# KiCad board NS32016-BC.kicad_pcb (continued)
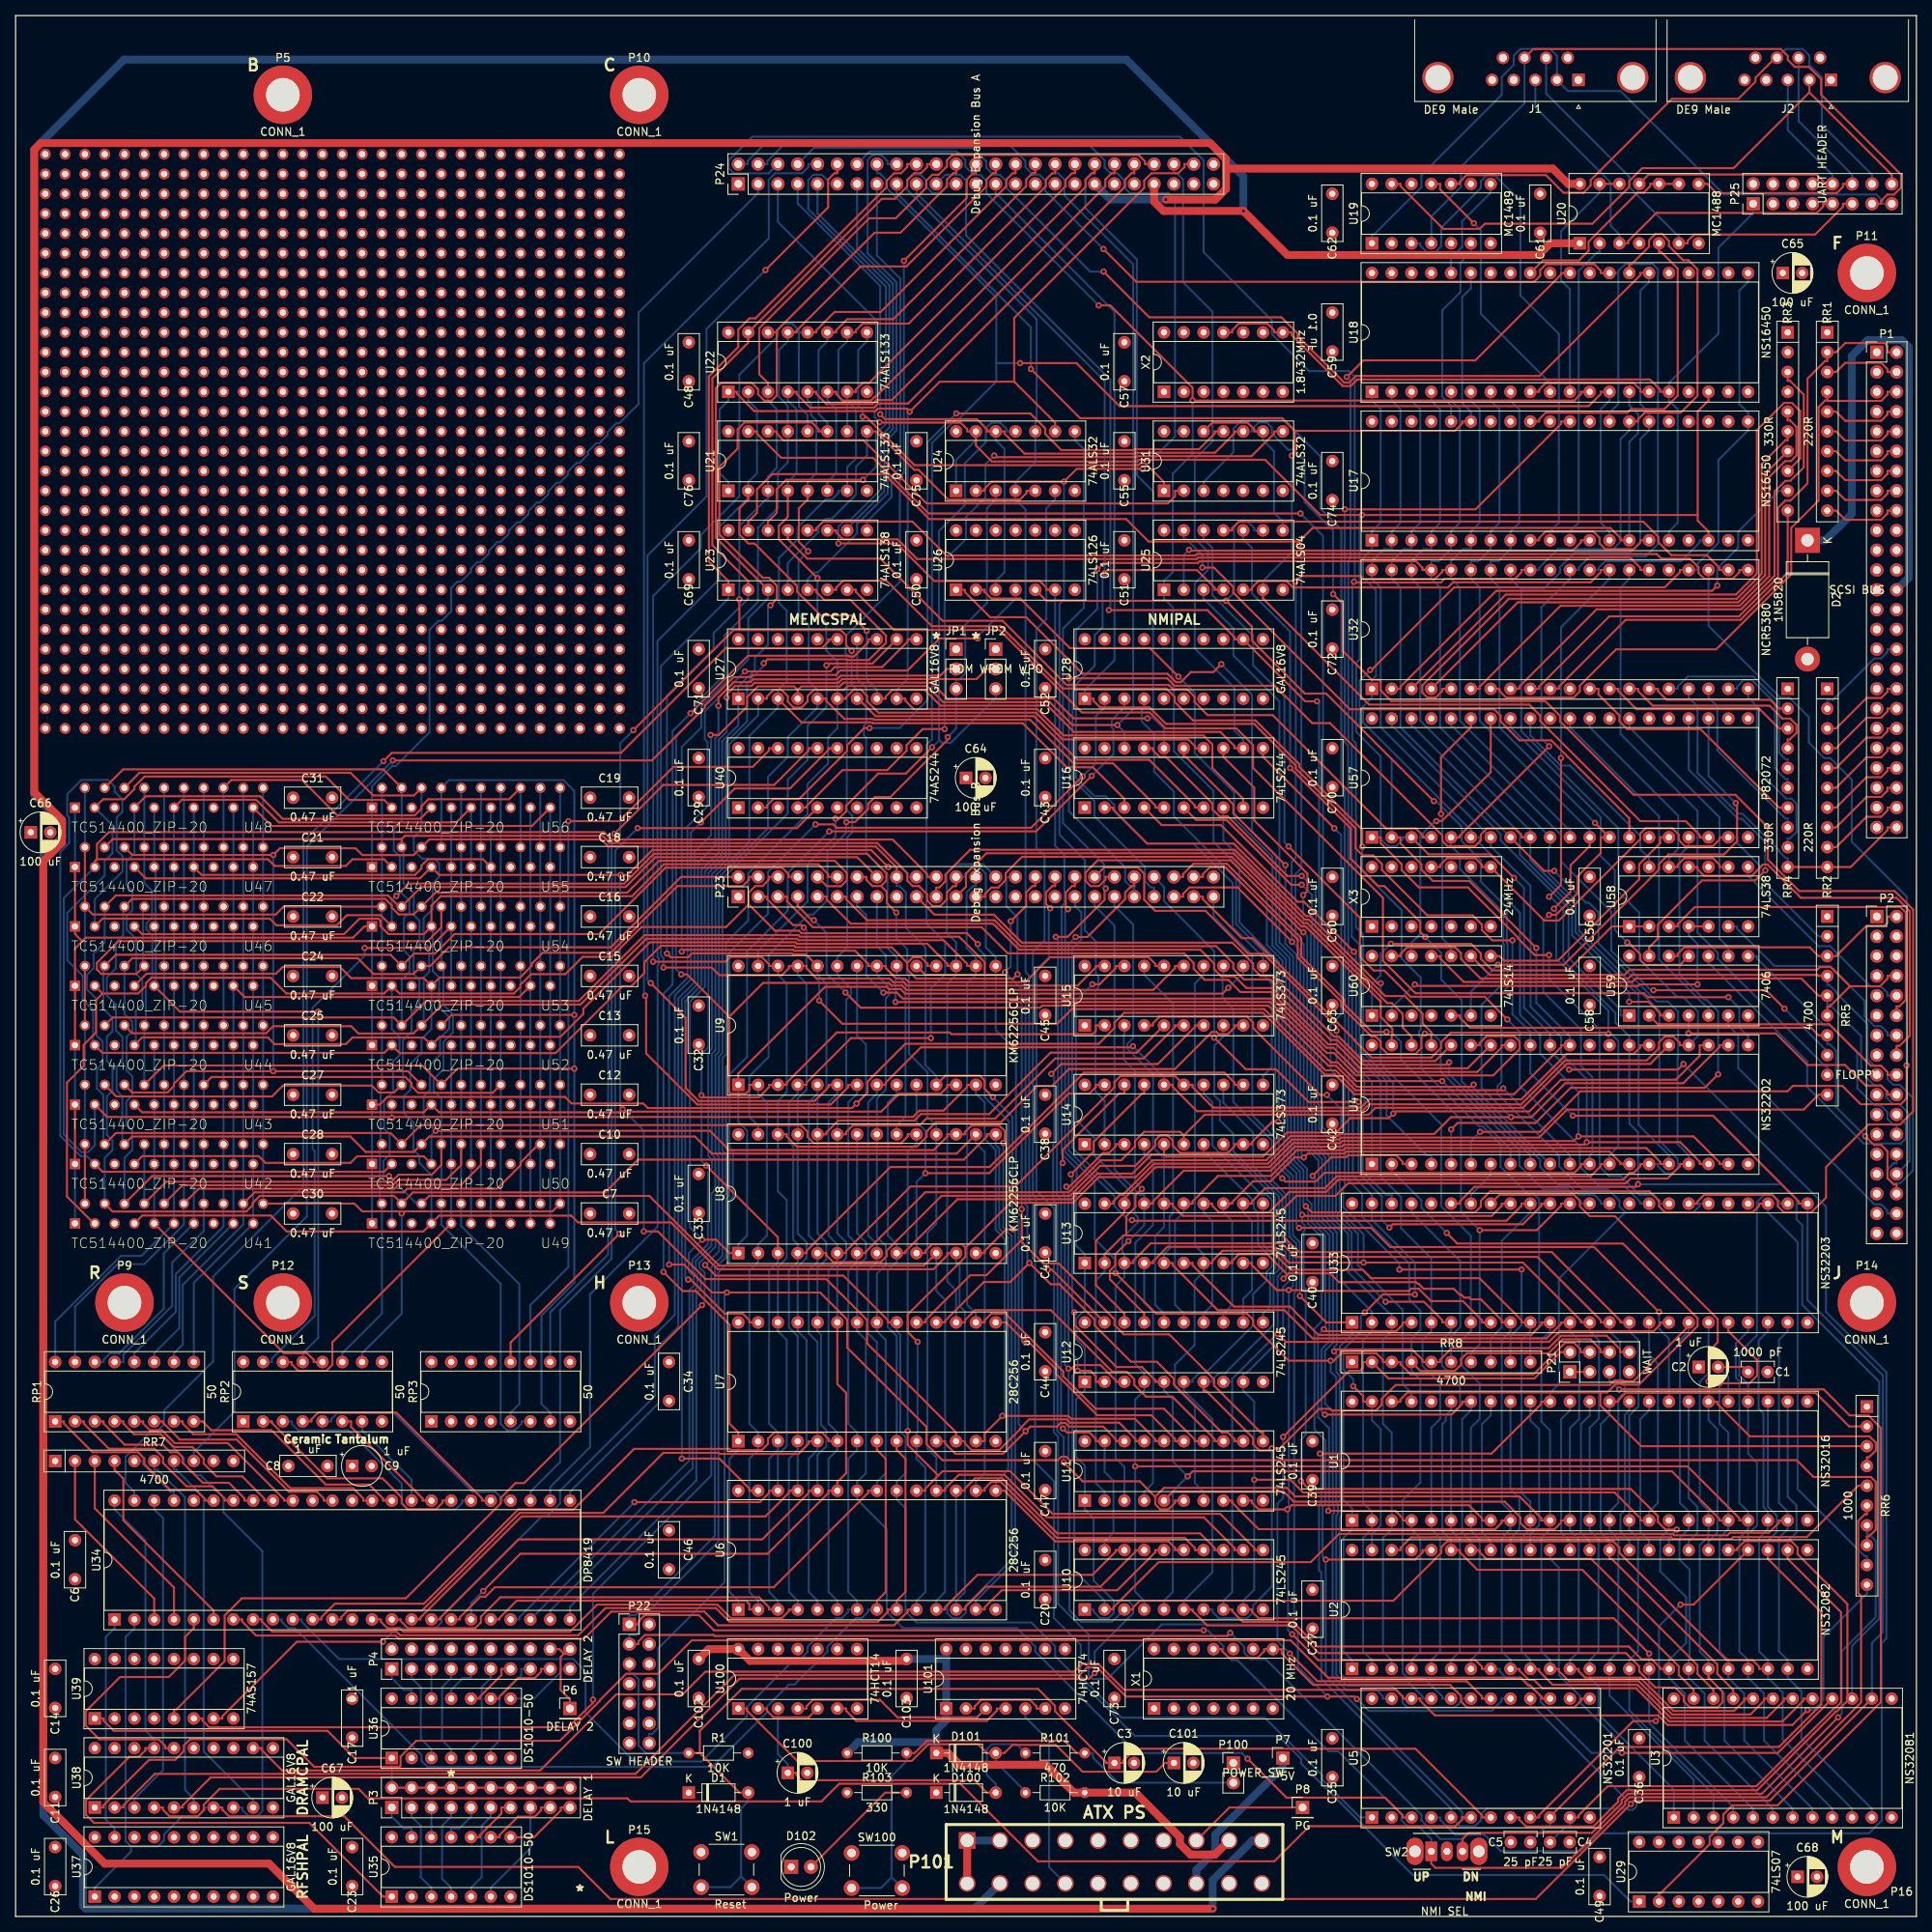
[diagram p0: board, top side]
## Routing (per net, layer and track width the routed paths; a pad name or vN(x,y) marks a point on that pad's centre or on a via; arc(x,y) is an arc through that point) (continued)
  Bottom w0.25: U17.16 212.09,177.66 213.22,178.78 213.22,193.33 212.09,194.45 U18.16 212.09,196.71 218.44,203.06 218.44,214.07 222.9,218.53 P25.1
-abt: length 20
  Bottom w0.25: U1.34 207.01,64.91 206.45,64.36 206.45,52.14 205.88,51.56 205.88,49.35 207.01,48.21 U2.34
-adr<6>: length 57.6
  Top w0.25: v1(150.53,175.31) 150.62,175.21 199.77,175.21 200.8,176.25 200.8,176.53 U17.12
  Bottom w0.25: v1(150.53,175.31) 149.86,174.64 U25.2
-ads: length 20
  Bottom w0.25: U1.37 199.39,64.91 198.26,63.79 198.26,49.24 199.39,48.12 U2.37
-cas1: length 16.2
  Top w0.25: RP2.6 43.04,63.5 43.04,62.8 52.21,53.62 52.21,53.34 U34.32
-cas2: length 168.4
  Top w0.25: U47.2 U46.2 9.9,128.53 33.37,128.53 34.39,129.54 U54.2 ; U42.2 U41.2 ; U45.2 U44.2
  Bottom w0.25: U48.2 U47.2 ; U56.2 U55.2 U54.2 U53.2 U52.2 U51.2 46.81,106.5 46.81,99.24 U50.2 46.73,98.8 46.73,91.7 U49.2 46.99,77.33 41.91,72.25 RP2.11 ; U46.2 U45.2 ; U42.2 U43.2 U44.2
-cts1: length 24.9
  Bottom w0.25: U17.36 184.15,193.82 183.02,194.95 183.02,206.03 185.34,208.36 185.34,212.15 186.69,213.5 U19.6
-cts2: length 13.5
  Bottom w0.25: U18.36 184.15,212.77 185.56,214.18 185.56,217.46 189.23,221.12 U19.8
-cwait: length 230.4
  Top w0.25: U38.12 31.61,21.59 31.61,21.31 34.18,18.73 67.3,18.73 77.05,28.49 85.58,28.49 88.49,31.4 135.81,31.4 136.81,32.39 138.9,32.39 142.23,29.07 177.1,29.07 177.94,28.22 177.94,27.94 U5.22 180.2,27.94 180.2,27.66 182.07,25.78 210.71,25.78 211.93,24.56 227.94,24.56 v1(229.86,26.48)
  Bottom w0.25: v1(229.86,26.48) 230.66,26.48 231.91,27.74 231.91,35.84 237.49,41.41 RR6.10
-dbe: length 257.3
  Bottom w0.25: P24.23 119.47,222.25 119.47,221.88 118.67,221.07 117.62,221.07 116.75,221.95 116.75,222.78 116.09,223.43 115.08,223.43 114.38,222.72 114.38,221.5 130.98,204.9 130.98,191.8 130.81,191.63 U24.10 130.81,186.55 128.27,184.01 U24.4 128.27,181.75 129.56,180.46 129.56,121.13 130.03,120.66 130.03,91.85 130.48,91.4 130.48,84.42 130.78,84.13 130.78,58.27 133.21,55.84 133.21,38.27 136.64,34.84 136.64,30.74 141.88,25.5 160.24,25.5 167.61,18.12 167.61,17.55 172.47,12.7 U5.1
-ddin: length 333.4
  Top w0.25: U26.5 132.22,168.77 v1(155.28,168.77) 158.61,165.44 158.61,163.65 165.38,156.88 168.13,156.88 v1(181.93,143.07) ; U1.38 195.72,66.04 195.72,65.76 189.34,59.38 v1(167.31,59.38)
  Bottom w0.25: U2.38 196.85,45.86 197.98,44.74 197.98,30.97 200.66,28.28 200.66,27.48 206.87,21.27 206.87,16.54 207.93,15.47 207.93,14.13 207.48,13.67 206.9,13.67 206.73,13.84 188.73,13.84 187.96,13.08 187.96,12.33 187.19,11.56 185.29,11.56 U5.5 184.15,13.83 167.5,30.48 167.5,44.12 167.21,44.4 167.21,52.74 167.51,53.04 167.51,59.17 v1(167.31,59.38) ; v1(181.93,143.07) 182.24,143.07 185.5,139.81 185.5,137.95 187.96,135.49 187.96,132.75 191.29,129.42 191.29,124.91 191.39,124.81 191.39,119.2 190.61,118.42 190.61,107.05 190.11,106.56 190.11,105.51 198.01,97.6 198.01,96.25 200.97,93.29 204.27,93.29 205.74,91.82 205.74,91.06 206.49,90.31 ; U25.9 158.89,177.8 158.89,178.08 157.98,179 157.09,179 156.31,178.22 156.31,169.81 v1(155.28,168.77) ; U33.30 216.04,91.44 216.04,91.16 215.2,90.31 206.49,90.31 ; 206.49,90.31 197.98,81.8 197.98,68.29 196.85,67.17 U1.38
-ddin_buf: length 363.5
  Top w0.25: U26.6 132.22,170.18 132.22,170.46 131.38,171.31 117.84,171.31 113.02,176.13 v1(105.55,176.13) ; v1(138.41,31.21) 137.7,30.5 92.87,30.5 80.2,17.83 25.02,17.83 21.45,14.25 21.45,13.97 U38.5
  Bottom w0.25: 140.87,40.51 138.29,43.09 138.29,51.09 137.16,52.21 U11.1 137.16,57.84 136.03,58.97 136.03,66.33 137.16,67.45 U12.1 137.16,72.93 136.03,74.05 136.03,76.67 137.16,77.79 U13.1 137.16,84.95 136.03,86.07 136.03,93.2 136.11,93.27 136.11,95.89 134.18,97.82 134.18,129.55 134.53,129.9 134.53,136.18 133.35,137.36 U26.6 ; 140.87,40.51 140.87,38.94 140.17,38.24 139.13,38.24 138.29,39.09 138.29,39.37 U10.1 ; 140.87,40.51 142.69,40.51 143.37,39.83 143.37,38.9 138.41,33.95 v1(138.41,31.21) ; P24.9 102.87,218.48 112.09,209.26 112.09,190.99 110.98,189.87 110.98,183.04 107.06,179.12 106.4,179.12 105.55,178.27 v1(105.55,176.13)
-dma_ack0: length 70.8
  Top w0.25: v1(196.71,123.33) 194.87,123.33 192.74,125.45 192.74,125.56 186.31,132 180.03,132 177.8,134.23 177.8,135 175.12,137.68 175.12,138.43 U57.1
  Bottom w0.25: U33.32 210.96,91.44 210.96,91.72 210.12,92.57 208.3,92.57 205.92,94.95 204.43,94.95 203.2,96.18 203.2,113.77 196.71,120.26 v1(196.71,123.33)
-dma_ack2: length 78.1
  Top w0.25: P23.48 152.31,133.35 152.31,133.72 153.17,134.58 155.21,134.58 164.47,125.32 164.47,122.95 170.04,117.39 170.04,116.77 173.92,112.89 174.46,112.89 175.12,112.23 175.12,111.51 176,110.63 179.56,110.63 180.34,111.4 180.34,112.81 v1(180.77,113.24)
  Bottom w0.25: U33.36 200.8,91.44 200.8,91.65 199.17,93.28 195.96,93.28 192.9,96.34 192.9,98.32 182.81,108.4 182.81,112.2 181.77,113.24 v1(180.77,113.24)
-dma_ack3: length 85.6
  Top w0.25: v1(172.28,104.48) 165.87,104.48 161.67,108.67 157.81,108.67 v1(153.76,112.73) ; U33.38 195.72,91.44 195.72,91.16 193.35,88.79 176.65,88.79 v1(176.23,88.36)
  Bottom w0.25: P23.44 147.32,132.08 147.32,130.26 153.76,123.82 v1(153.76,112.73) ; v1(176.23,88.36) 175.26,89.33 175.26,92.36 172.28,95.34 v1(172.28,104.48)
-dma_breq: length 23.4
  Bottom w0.25: RR8.6 184.15,74.44 185.32,75.61 185.32,84.06 179.07,90.31 U33.45
-dma_cs: length 123.5
  Bottom w0.25: U33.46 176.53,92.57 175.83,92.57 172.81,95.59 172.81,103.99 173.02,104.2 173.02,107.4 170.99,109.44 170.99,122.78 170.5,123.27 170.5,144.67 170.06,145.11 170.06,177.91 167.38,180.59 167.38,187.29 162.57,192.1 157.47,192.1 156.21,190.84 156.21,187.82 152.4,184.01 U31.3
-dma_cs1: length 55
  Top w0.25: v1(108.66,192.38) 109.11,192.38 115.32,186.17 144.03,186.17 144.28,186.41 144.91,186.41 147.32,184.01 U31.1
  Bottom w0.25: v1(108.66,192.38) 108.66,193.27 108.09,193.84 108.09,200.95 109.22,202.07 U22.9
-dma_ir: length 6.1
  Bottom w0.25: U33.42 186.69,92.57 189.23,95.11 U4.7
-dma_req0: length 119
  Top w0.25: v1(191.37,115.06) 188.45,117.98 178.95,117.98 175.58,121.34 174.2,121.34 172.46,123.09 172.46,128.1 v1(163.3,137.25)
  Bottom w0.25: U33.33 208.42,91.44 208.42,91.64 206.33,93.74 203.1,93.74 200.66,96.18 200.66,98.83 192.96,106.54 192.96,113.47 v1(191.37,115.06) ; v1(163.3,137.25) 162.77,137.79 162.77,156.49 158.75,160.51 158.75,164.27 153.53,169.49 153.53,175.55 152.4,176.67 U25.12
-dma_req1: length 108.9
  Top w0.25: v1(163.5,147.33) 171.24,139.59 171.24,135.74 174.8,132.17 175.59,132.17 180.2,127.56 180.2,126.28 v1(180.84,125.64)
  Bottom w0.25: U33.35 203.34,91.44 203.34,91.72 202.5,92.57 200.53,92.57 199.27,93.82 197.89,93.82 195.58,96.13 195.58,97.04 185.51,107.11 185.51,117.54 182.88,120.17 182.88,123.59 v1(180.84,125.64) ; v1(163.5,147.33) 163.5,164.82 158.61,169.71 158.61,175.55 157.48,176.67 U25.10
-dma_req2: length 100.1
  Top w0.25: P23.46 149.77,133.35 149.77,133.72 151.08,135.03 155.4,135.03 164.92,125.5 164.92,123.14 170.49,117.57 170.49,116.98 174.01,113.46 v1(175.86,113.46) ; v1(187.82,88.03) 195.14,88.03 198.26,91.16 198.26,91.44 U33.37
  Bottom w0.25: RR8.7 186.69,72.25 187.82,73.37 v1(187.82,88.03) 185.42,90.43 185.42,102.2 177.71,109.91 177.71,112.2 176.44,113.46 v1(175.86,113.46)
-dma_req3: length 126.9
  Top w0.25: U33.39 193.18,91.44 193.18,91.16 191.26,89.24 143.32,89.24 v1(143.23,89.32) ; v1(135.99,125.64) 137.48,125.64 142.33,130.5 142.33,131.37 143.14,132.17 143.51,132.17 P23.42
  Bottom w0.25: RR8.8 189.23,74.15 190.64,75.56 190.64,86.65 194.31,90.31 U33.39 ; v1(143.23,89.32) 142.76,89.32 140.97,91.11 140.97,92.38 135.08,98.27 135.08,124.73 v1(135.99,125.64)
-dram_cs: length 233.7
  Top w0.25: U27.15 104.28,163.83 104.28,163.55 103.44,162.7 91.11,162.7 77.66,149.26 48.25,149.26 v1(47.19,148.2)
  Bottom w0.25: U34.47 15.24,54.47 14.11,55.59 14.11,58.95 17.41,62.25 18.17,62.25 ; 18.17,62.25 19.05,63.13 19.05,64.92 25.34,71.21 25.34,82.08 36.92,93.66 36.92,137.93 v1(47.19,148.2) ; 18.17,62.25 21.59,58.82 21.59,58.08 23.09,56.59 23.76,56.59 26.67,53.68 26.67,51.84 31.65,46.86 31.65,13.52 30.96,12.82 29.93,12.82 29.07,13.69 29.07,13.97 U38.8
-drv_sel0: length 59.8
  Top w0.25: U58.5 U58.4 ; v1(215.76,119.56) 208.34,119.56 208.15,119.37 179.69,119.37 v1(179.5,119.56)
  In1.Cu w0.25: U58.5 U58.10
  Bottom w0.25: U58.4 214.63,125.87 215.76,124.75 v1(215.76,119.56) ; U60.2 176.53,116.7 176.64,116.7 v1(179.5,119.56)
-eprom_cs: length 271
  Top w0.25: U7.20 111.9,76.2 111.9,76.48 106.18,82.2 89.81,82.2 v1(88.45,83.55) ; U27.12 109.92,160.72 104.24,160.72 v1(104.02,160.5)
  Bottom w0.25: v1(88.45,83.55) 90.23,85.33 90.23,92.43 90.66,92.87 90.66,97.63 90.23,98.07 90.23,110.3 90.68,110.75 90.68,133.11 99.06,141.48 99.06,145.82 101.6,148.36 101.6,152.71 104.02,155.13 v1(104.02,160.5) ; U7.20 113.03,75.07 113.5,74.61 113.5,62.17 114.17,61.5 114.17,56.87 113.03,55.74 U6.20 113.03,53.48 114.16,52.36 114.16,39.12 115.57,37.71 130.3,37.71 133.35,34.66 133.35,33.38 143.58,23.15 161.95,23.15 164.92,20.18 164.92,19.61 179.22,5.32 203.75,5.32 207.15,1.91 U29.1
-fdb_dir: length 35.1
  Top w0.25: P2.18 240.12,107.95 240.12,108.32 239.32,109.13 237.99,109.13 232.67,114.44 210.68,114.44 U59.2
-fdb_ds0: length 28.9
  Bottom w0.25: P2.14 240.12,113.03 240.12,113.4 239.32,114.21 238.46,114.21 237.19,115.48 237.19,117.46 232.73,121.92 225.63,121.92 220.84,126.72 220.84,127 U58.6
-fdb_ds1: length 45.8
  Top w0.25: P2.12 241.3,116.75 241.67,116.75 242.48,117.55 242.48,128.78 241.77,129.48 215.42,129.48 213.22,127.28 213.22,127 U58.3
-fdb_hdsel: length 35.5
  Bottom w0.25: P2.32 240.12,90.17 240.12,90.54 239.32,91.35 238.46,91.35 220.98,108.83 220.98,113.03 219.71,114.3 U59.6
-fdb_idx: length 62.9
  Top w0.25: U60.9 189.1,120.78 206.37,120.78 207.04,121.44 231.11,121.44 231.45,121.78 232.87,121.78 235.32,119.33 ; P2.8 240.12,120.65 240.12,120.28 239.17,119.33 235.32,119.33 ; 235.32,119.33 232.69,116.7 232.41,116.7 RR5.6
-fdb_ld: length 32.9
  Top w0.25: U59.12 213.22,123.19 213.22,123.47 214.06,124.32 230.16,124.32 231.28,123.19 RR5.3 233.54,123.19 237.44,127.09 239.76,127.09 240.12,127.46 240.12,128.27 P2.2
-fdb_motor0: length 26.8
  Bottom w0.25: U58.8 222.25,133.49 231.28,124.46 232.77,124.46 237.95,119.29 239.32,119.29 240.12,118.48 240.12,118.11 P2.10
-fdb_motor1: length 51.4
  Top w0.25: U58.11 215.76,134.62 215.76,134.34 216.6,133.49 222.72,133.49 224.16,134.94 224.74,134.94 229,130.67 241.27,130.67 242.97,128.97 242.97,112.97 241.67,111.67 241.3,111.67 P2.16
-fdb_rddata: length 74.4
  Top w0.25: P2.30 241.3,93.89 240.93,93.89 240.12,94.69 240.12,98.16 239.32,98.97 238.4,98.97 v1(237.27,100.09) ; U60.5 185.28,115.57 185.28,115.29 186.57,113.99 230.32,113.99 231.28,113.03 RR5.7
  Bottom w0.25: RR5.7 232.41,111.9 232.69,111.9 233.54,111.06 233.54,103.83 v1(237.27,100.09)
-fdb_stp: length 32.5
  Top w0.25: P2.20 240.12,105.41 240.12,105.78 239.32,106.59 237.32,106.59 234.69,109.22 229.87,109.22 225.82,113.27 v1(214.6,113.27)
  Bottom w0.25: v1(214.6,113.27) 214.6,114.42 214.63,114.44 U59.4
-fdb_trk0: length 97.4
  Top w0.25: U60.13 177.66,123.19 177.66,123.47 178.5,124.32 184.67,124.32 185.42,123.57 185.42,122.82 187.91,120.32 206.87,120.32 207.33,120.78 231.16,120.78 231.28,120.65 RR5.4
  Bottom w0.25: P2.26 241.3,96.61 240.93,96.61 240.12,95.81 240.12,94.72 240.77,94.07 241.79,94.07 243.41,95.69 243.41,104.97 241.7,106.68 240.87,106.68 240.12,107.42 240.12,108.29 239.29,109.13 238.46,109.13 237.57,110.02 237.57,114.46 233.54,118.49 233.54,118.62 232.63,119.52 232.41,119.52 RR5.4
-fdb_we: length 32.5
  Bottom w0.25: U59.8 223.38,123.19 223.38,122.91 231.98,114.3 232.74,114.3 236.25,110.79 236.25,106.26 238.46,104.05 239.25,104.05 240.12,103.17 240.12,102.31 240.93,101.51 241.3,101.51 P2.24
-fdb_wp: length 82.4
  Top w0.25: RR5.5 231.28,118.11 229.08,120.32 207.82,120.32 207.38,119.87 185.77,119.87 182.74,122.91 182.74,123.19 U60.11
  Bottom w0.25: RR5.5 232.41,116.98 232.69,116.98 236.74,112.94 236.74,108.31 238.46,106.59 239.25,106.59 239.94,105.9 239.94,105.11 240.81,104.23 241.62,104.23 242.93,102.92 242.93,96.88 P2.28
-fdb_wrdata: length 41.7
  Bottom w0.25: U59.10 217.17,122.06 217.45,122.06 229.82,109.69 229.82,106.41 237.08,99.15 241.85,99.15 242.48,99.78 242.48,101.69 P2.22
-flt: length 20
  Bottom w0.25: U2.33 209.55,48.22 208.42,49.34 208.42,63.79 209.55,64.91 U1.33
-hbe: length 170.5
  Top w0.25: v1(164.64,88.33) 173.89,88.33 176.36,85.86 202.49,85.86 v1(210.82,77.53) ; v1(149.16,159.04) 145.5,162.7 135.24,162.7 128.89,169.05 125.16,169.05 124.32,169.9 124.32,170.18 U26.2
  Bottom w0.25: v1(210.82,77.53) 210.82,75.38 212.09,74.11 U1.32 ; v1(164.64,88.33) 164.3,88.67 164.3,95.37 163.15,96.52 163.15,102.43 162.96,102.62 162.96,122.8 161.23,124.54 161.23,135.94 156.31,140.86 156.31,144.2 151.27,149.23 151.27,156.93 v1(149.16,159.04)
-hbe_buf: length 297.7
  Top w0.25: U31.10 156.35,190.5 156.35,190.25 153.87,187.76 143.72,187.76 143.6,187.65 129.43,187.65 126.86,190.22 126.86,190.5 U24.12 124.6,190.5 124.6,190.78 123.31,192.08 111.54,192.08 v1(110.92,192.7) ; v1(169.01,169.64) 170.22,168.43 170.22,162.39 173.98,158.63 174.9,158.63 175.12,158.42 175.12,157.27 176.48,155.9 196.22,155.9 198.12,154.01 198.12,153.32 207.56,143.88 220.61,143.88 224.79,139.71 224.79,135.56 228.81,131.53 241.04,131.53 243.42,129.15 243.42,103.26 241.76,101.6 237.71,101.6 232.25,96.14 232.25,92.22 230.34,90.31 226.84,90.31 226.06,91.09 226.06,91.83 225.32,92.57 216.6,92.57 215.76,91.72 215.76,91.44 U33.31
  Bottom w0.25: v1(110.92,192.7) 110.92,209.16 100.33,219.75 P24.7 ; v1(169.01,169.64) 169.01,177.76 165.36,181.42 165.36,186.79 163.99,188.16 163.24,188.16 161.15,190.25 161.15,191.02 160.51,191.65 159.48,191.65 158.61,190.78 158.61,190.5 U31.10 ; U24.12 125.73,189.37 126.86,188.25 126.86,172.43 125.73,171.31 U26.3
-hlda: length 231.6
  Top w0.25: v1(164.9,55.84) 165.9,54.83 207.19,54.83 210.68,51.35 210.68,50.6 211.65,49.63 v1(213.1,49.63) ; U33.40 190.64,91.44 190.64,91.16 189.34,89.86 165.19,89.86 v1(165.05,90) ; v1(154.66,160.64) 153.65,159.63 150.77,159.63 149.46,158.32 148.86,158.32 147.77,159.41 136.89,159.41 129.64,166.66 125.01,166.66 121.78,169.9 121.78,170.18 U26.1
  Bottom w0.25: v1(154.66,160.64) 158.61,156.7 158.61,139.2 161.68,136.13 161.68,124.72 163.44,122.96 163.44,102.78 163.61,102.61 163.61,96.7 164.75,95.55 164.75,90.29 v1(165.05,90) 165.05,88.94 165.37,88.63 165.37,88.03 165.23,87.89 165.23,80.75 165.49,80.49 165.49,61.79 164.9,61.19 v1(164.9,55.84) ; v1(213.1,49.63) 212.09,48.62 U2.32
-hlda_mmu: length 20
  Bottom w0.25: U1.31 214.63,53.65 215.76,52.53 215.76,49.24 214.63,48.12 U2.31
-hold: length 95.1
  Top w0.25: U1.30 218.3,66.04 218.3,65.76 222.47,61.59 237.83,61.59 238.63,60.79 238.63,59.76 237.77,58.91 237.49,58.91 RR6.4 ; v1(217.17,68.63) 217.17,72.48 218.35,73.66 218.35,76.62 205.15,89.83 201.93,89.83 200.66,91.1 200.66,91.83 199.93,92.57 190.36,92.57 U33.41
  Bottom w0.25: v1(217.17,68.63) U1.30 217.17,63.64 218.31,62.5 218.31,49.25 217.17,48.12 U2.30
-int: length 131.2
  Top w0.25: 203.3,67.22 178.55,67.22 177.66,66.32 177.66,66.04 U1.46 ; 203.3,67.22 203.3,65.56 208.53,60.32 RR6.3 ; 203.3,67.22 204.19,67.22 205.28,68.31 206.02,68.31 206.11,68.22 208.24,68.22 215.77,75.75 215.77,76.72 206.18,86.31 184.95,86.31 v1(183.59,87.68)
  Bottom w0.25: v1(183.59,87.68) 180.34,90.93 180.34,91.87 176.81,95.39 176.53,95.39 U4.2
-io_cs: length 50.8
  Top w0.25: U21.9 110.35,190.5 115.28,185.57 115.83,185.57 119.64,181.75 128.84,181.75 129.68,182.6 129.68,182.88 U24.5
  Bottom w0.25: U21.9 109.22,187.39 107.81,185.97 107.81,182.41 104.7,179.3 104,179.3 103.01,178.32 103.01,177.58 99.06,173.63 U23.4
-io_cs_fff0: length 301.5
  Top w0.25: U23.15 93.98,178.93 95.11,180.05 95.11,183.06 97.07,185.02 111.44,185.02 117.21,179.25 142.47,179.25 145.34,176.37 164.64,176.37 ; 164.64,176.37 166.38,178.12 204.58,178.12 205.88,176.81 205.88,176.53 U17.14 ; 164.64,176.37 v1(164.64,175.94)
  Bottom w0.25: U5.23 175.4,27.94 175.4,28.22 174.56,29.07 170.72,29.07 168.95,30.83 168.95,51.56 169.15,51.76 169.15,52.72 168.96,52.9 168.96,64.78 167.97,65.77 167.97,72.57 169,73.6 169,87.58 167.14,89.45 167.14,96.97 165.41,98.7 165.41,103.36 165.24,103.53 165.24,124.71 164.19,125.77 164.19,133.71 164.93,134.46 164.93,175.65 v1(164.64,175.94) ; U17.14 207.01,189.15 208.15,190.29 208.15,192.72 207.01,193.86 U18.14
-io_cs_fff2: length 65.8
  Top w0.25: v1(108.7,184.29) 98.85,184.29 97.65,183.08 97.65,180.05 96.52,178.93 U23.14
  Bottom w0.25: P24.11 104.23,222.25 104.23,222.62 103.43,223.43 102.34,223.43 101.69,222.77 101.69,219.02 111.64,209.07 111.64,191.46 110.38,190.2 110.38,185.97 v1(108.7,184.29)
-io_cs_fff4: length 100.1
  Top w0.25: U23.13 99.06,176.67 101.56,174.17 110.94,174.17 118.9,166.21 126.6,166.21 134.84,157.97 147.94,157.97 148.49,157.42 150.29,157.42 151.24,156.47 151.24,155.78 152.92,154.1 161.26,154.1 175.81,139.56 179.64,139.56 180.48,138.71 180.48,138.43 U57.4
-io_cs_fff6: length 125.5
  Top w0.25: U23.12 102.73,177.8 102.73,178.08 103.58,178.94 115.05,178.94 119.4,174.58 151.34,174.58 151.53,174.76 210.54,174.76 211.13,174.17 214.78,174.17 215.9,173.05 215.9,172.32 216.63,171.59 220.28,171.59 221.12,172.44 221.12,172.72 U32.21
-io_cs_fff8: length 108
  Top w0.25: U32.26 208.42,172.72 208.42,173 207.11,174.31 151.71,174.31 151.53,174.13 115.66,174.13 113.14,176.65 106.15,176.65 105.27,177.53 105.27,177.8 U23.11
-io_cs_fffa: length 48.8
  Bottom w0.25: U23.10 106.68,178.04 111.43,182.78 111.43,189.69 112.55,190.81 112.55,209.44 107.95,214.04 P24.13
-io_cs_fffc: length 47.5
  Bottom w0.25: U23.9 109.22,178.93 112.36,182.06 112.36,184.74 113.5,185.88 113.5,210.08 110.49,213.09 P24.15
-io_cs_fffe: length 148.5
  Top w0.25: v1(219.72,117.92) 209.39,117.92 208.88,118.43 179.57,118.43 175.4,122.6 175.4,130.67 158.75,147.32 158.75,150.26 156.61,152.4 147.52,152.4 145.47,154.44 136.79,154.44 126.2,165.03 112.67,165.03 107.81,169.9 107.81,170.18 U23.7
  Bottom w0.25: U4.21 222.25,112.89 221.12,114.01 221.12,116.51 v1(219.72,117.92)
-io_edata_oe: length 112.8
  Top w0.25: U12.19 132.94,82.96 v1(132.43,82.96)
  Bottom w0.25: U24.6 133.35,181.75 132.22,180.63 132.22,166.39 130.94,165.11 130.94,137.14 131.99,136.09 131.99,125.22 130.5,123.73 130.5,92.5 130.93,92.07 130.93,84.61 132.43,83.12 v1(132.43,82.96)
-io_odata_oe: length 98.7
  Top w0.25: RR5.10 231.28,105.41 229.38,103.51 199.02,103.51 195.43,99.91 170.01,99.91 169.75,99.65 163.73,99.65 160.64,96.56 146.05,96.56 142.05,92.57 141.67,92.57 140.83,91.72 140.83,91.44 U13.19
-mem_data_oe: length 156.9
  Top w0.25: U11.19 138.57,60.96 138.57,61.24 137.73,62.09 134.85,62.09 v1(134.35,62.58) ; v1(133.43,125.66) 134.94,125.66 139.7,130.41 139.7,131.71 v1(139.85,131.87)
  Bottom w0.25: U11.19 139.7,57.02 140.83,55.9 140.83,49.24 139.7,48.12 U10.19 ; v1(139.85,131.87) 139.61,132.11 139.61,135.01 134.36,140.25 134.36,165.2 137.02,167.87 137.02,188.24 135.89,189.37 U24.8 ; v1(133.43,125.66) 133.73,125.36 133.73,99.05 133.58,98.91 133.58,92.51 134.11,91.98 134.11,62.82 v1(134.35,62.58)
-mode: length 35.7
  Top w0.25: U34.5 22.86,36.97 21.73,35.85 21.73,32.8 19.65,30.71 13.4,30.71 9,26.3 9,24.48 10.76,22.72 18.35,22.72 19.19,21.87 19.19,21.59 U38.16
-nmi: length 194
  Top w0.25: v1(166.95,155.87) 165.44,155.87 U28.12 156.35,163.83 156.35,164.11 152.89,167.57 v1(140.24,167.57)
  Bottom w0.25: v1(166.95,155.87) 167.21,155.61 167.21,127.18 167.49,126.9 167.49,104.46 167.66,104.29 167.66,101.22 169.39,99.48 169.39,90.38 172.19,87.58 172.19,83.56 177.94,77.8 177.94,68.29 179.07,67.17 U1.45 ; P24.21 119.29,223.43 121.18,223.43 121.92,222.68 121.92,215.65 140.44,197.13 140.44,167.77 v1(140.24,167.57)
-nmi_down: length 369
  Top w0.25: P22.3 79.91,34.93 79.91,35.3 80.72,36.11 89.55,36.11 89.68,35.98 155.42,35.98 v1(155.82,36.37) ; v1(233.8,25.54) 224,15.74 206.85,15.74 206.03,14.91 206.03,14.52 202.22,10.71 186.4,10.71 185.61,9.93 SW2.3 ; v1(138.04,146.31) 130.92,139.19 v1(104.38,139.19)
  Bottom w0.25: RR6.7 237.49,49.03 237.77,49.03 238.62,48.19 238.62,38.38 234.27,34.03 234.27,26.01 v1(233.8,25.54) ; v1(155.82,36.37) 157.62,34.57 157.62,33.8 158.43,33 160.37,33 180.34,13.03 180.34,12.34 182.75,9.93 185.61,9.93 SW2.3 ; P22.3 78.73,36.11 79.54,36.11 79.91,36.47 79.91,37.84 90.15,48.08 90.15,82.63 91.58,84.06 91.58,91.87 92.02,92.31 92.02,98.19 91.58,98.62 91.58,108 93.84,110.25 93.84,123.78 99.06,129.01 99.06,133.87 v1(104.38,139.19) ; v1(138.04,146.31) 140.84,149.11 140.84,152.31 140.61,152.53 140.61,153.46 142.24,155.08 U28.3
-nmi_up: length 371.5
  Top w0.25: RR6.6 237.49,51.57 237.21,51.57 236.36,50.73 236.36,41.48 236.74,41.1 236.74,27.46 224.57,15.29 207.04,15.29 206.48,14.72 206.48,14.33 198.37,6.23 182.16,6.23 181.61,6.77 SW2.1 ; P22.1 79.91,37.47 79.91,37.84 80.72,38.65 87.65,38.65 89.58,36.71 v1(152.41,36.71) ; v1(102.62,140.09) 104.91,140.09 105.34,139.66 130.28,139.66 v1(136.88,146.25)
  Bottom w0.25: P22.1 78.73,38.65 79.54,38.65 89.7,48.8 89.7,83.14 91.13,84.57 91.13,92.06 91.57,92.5 91.57,98 91.13,98.44 91.13,108.96 91.58,109.42 91.58,123.69 96.52,128.62 96.52,133.98 v1(102.62,140.09) ; v1(152.41,36.71) 152.91,36.71 154.94,34.67 154.94,33.93 156,32.87 156.74,32.87 168.43,21.18 169.66,21.18 177.8,13.04 177.8,12.32 178.58,11.55 179.99,11.55 181.61,9.93 SW2.1 ; U28.2 139.7,155.08 138.57,153.96 138.57,147.95 v1(136.88,146.25)
-pav: length 482.4
  Top w0.25: U5.6 185.56,12.7 185.56,12.42 184.72,11.57 165.96,11.57 161.46,7.07 131.13,7.07 121.19,17.02 105.65,17.02 103.39,14.75 78.89,14.75 78.49,15.15 45.23,15.15 44.01,16.37 26.17,16.37 24.13,14.32 24.13,13.62 23.36,12.84 19.75,12.84 18.91,13.69 18.91,13.97 U38.4 ; v1(168.07,45.78) 179.55,45.78 180.48,46.71 180.48,46.99 U2.44 ; U33.27 223.66,91.44 223.66,91.16 222.82,90.31 211.6,90.31 210.82,91.09 210.82,91.79 209.6,93.02 189.18,93.02 187.96,91.8 187.96,91.06 187.21,90.31 166.3,90.31 v1(165.51,91.09)
  Bottom w0.25: U25.3 152.4,169.05 156.21,165.24 156.21,161.77 162.13,155.85 162.13,124.91 163.89,123.15 163.89,102.97 164.06,102.8 164.06,96.89 165.2,95.74 165.2,91.4 v1(165.51,91.09) 165.78,90.83 165.78,88.9 167.54,87.13 167.54,76.33 166.62,75.41 166.62,62.46 168.03,61.05 168.03,52.92 167.66,52.55 167.66,46.18 v1(168.07,45.78) 168.07,30.86 185.56,13.36 185.56,12.7 U5.6 ; U33.27 224.79,90.31 228.6,86.5 228.6,54.81 237.21,46.21 237.49,46.21 RR6.9
-pfs: length 20
  Bottom w0.25: U2.39 194.31,49.04 195.44,50.17 195.44,62.51 194.31,63.64 U1.39
-ras01: length 29.6
  Bottom w0.25: U34.28 62.37,53.34 62.37,53.62 61.53,54.47 58.62,54.47 48.46,64.63 41.34,64.63 40.5,63.78 40.5,63.5 RP2.5
-ras02: length 52
  Top w0.25: U41.9 34.43,72.25 37.4,72.25 38.24,71.4 38.24,71.12 RP2.12
  Bottom w0.25: U41.9 U42.9 U43.9 U44.9
-ras11: length 29.6
  Top w0.25: U34.29 59.83,53.34 59.83,53.62 48.83,64.63 38.8,64.63 37.96,63.78 37.96,63.5 RP2.4
-ras12: length 91.4
  Top w0.25: U45.9 21.09,116.07 v1(38.82,116.07)
  Bottom w0.25: U48.9 U47.9 17.95,134.45 17.95,127.17 U46.9 17.98,126.8 17.98,119.58 U45.9 ; v1(38.82,116.07) 38.82,74.24 36.83,72.25 RP2.13
-ras21: length 31.1
  Bottom w0.25: RP2.3 35.42,63.5 35.42,63.22 36.26,62.37 42.69,62.37 49.53,55.53 49.53,52.98 50.3,52.21 56.45,52.21 57.29,53.06 57.29,53.34 U34.30
-ras22: length 54.6
  Top w0.25: U49.9 40.64,73.66 40.64,70.78 39.85,69.99 36.26,69.99 35.42,70.84 35.42,71.12 RP2.14
  Bottom w0.25: U49.9 U50.9 U51.9 U52.9
-ras31: length 30
  Top w0.25: RP2.2 32.88,63.5 32.88,63.31 39.99,56.19 47.07,56.19 49.53,53.73 49.53,53 50.31,52.21 53.91,52.21 54.75,53.06 54.75,53.34 U34.31
-ras32: length 94.5
  Top w0.25: U54.9 53.11,124.23 v1(44.78,124.23)
  Bottom w0.25: U56.9 U55.9 U54.9 U53.9 ; v1(44.78,124.23) 44.78,123.24 38.09,116.55 38.09,98.46 38.37,98.18 38.37,77.05 32.88,71.56 32.88,71.12 RP2.15
-rasin: length 91
  Top w0.25: U38.17 16.65,21.59 16.65,21.31 15.81,20.46 14.58,20.46 9.03,14.92 9.03,13.04 10.07,12 37.68,12 47.13,2.54 U35.1
  Bottom w0.25: U34.48 12.7,52.21 16.65,48.26 16.65,23.84 17.78,22.72 U38.17
-rd: length 735.1
  Top w0.25: v1(173.78,159.9) 173.93,159.9 184.54,170.5 211.56,170.5 213.5,172.44 213.5,172.72 U32.24 ; U44.1 U45.1 7.62,124.17 8.54,125.09 ; U51.1 46.71,104.14 47.69,105.13 70.49,105.13 71.33,104.28 80.51,104.28 81.09,103.7 107.3,103.7 v1(107.88,104.28) 109.29,105.69 109.29,107.1 114.14,111.94 138.94,111.94 140.97,113.97 140.97,114.68 142.21,115.91 160.02,115.91 167.94,107.99 169.23,107.99 171.74,105.48 192.23,105.48 198.26,111.52 198.26,111.76 U4.30 ; 8.54,125.09 7.62,126.01 U46.1 U47.1 ; 8.54,125.09 9,125.56 43.29,125.56 44.73,127 U54.1 ; v1(158.04,20.23) 163.03,15.24 175.69,15.24 177.94,12.98 177.94,12.7 U5.3 ; U43.1 U42.1 ; v1(195.07,124.24) 186.48,132.83 181.8,132.83 180.34,134.29 180.34,134.96 177.66,137.65 177.66,138.43 U57.2
  In1.Cu w0.25: v1(107.88,104.28) 107.95,104.21 U8.22
  Bottom w0.25: v1(158.04,20.23) 157.31,20.96 143.82,20.96 130.81,33.97 130.81,34.62 128.44,36.99 113.82,36.99 111.76,39.05 111.76,49.67 107.95,53.48 U6.22 107.95,55.74 109.08,56.86 109.08,73.95 107.95,75.07 U7.22 107.95,83.33 109.08,84.46 109.08,86.49 107.95,87.63 U8.22 ; U32.24 215.76,172.72 215.76,173.52 218.44,176.2 218.44,186.83 222.25,190.64 U17.21 222.25,192.9 221.12,194.02 221.12,208.57 222.25,209.69 U18.21 ; U4.30 199.39,112.89 195.07,117.2 v1(195.07,124.24) ; U43.1 U44.1 ; U49.1 U50.1 U51.1 U52.1 U53.1 U54.1 U55.1 U56.1 45.72,144.98 48.31,147.57 48.76,147.57 53.09,151.9 53.09,165.05 54.24,166.2 54.65,166.2 55.88,167.43 55.88,170.43 56.65,171.2 57.12,171.2 58.42,172.51 58.42,172.91 59.25,173.74 59.63,173.74 60.71,174.82 60.71,175.2 61.79,176.28 62.17,176.28 63.25,177.36 63.25,177.74 64.33,178.82 64.71,178.82 65.79,179.9 65.79,180.28 66.87,181.36 67.25,181.36 68.33,182.44 68.33,182.82 69.41,183.9 69.79,183.9 70.87,184.98 70.87,185.36 71.95,186.44 72.33,186.44 73.41,187.52 73.41,187.9 74.5,188.98 74.87,188.98 75.95,190.06 75.95,190.44 77.04,191.52 77.42,191.52 79.91,194.01 79.91,205.73 95.25,221.07 P24.3 ; U9.22 107.95,112.99 109.08,111.85 109.08,105.48 v1(107.88,104.28) ; U57.2 176.53,148.44 172.41,152.56 172.41,158.53 v1(173.78,159.9) ; U47.1 U48.1 ; U42.1 U41.1
